# Allegro board pc053e_toplevel_66.brd (continued)
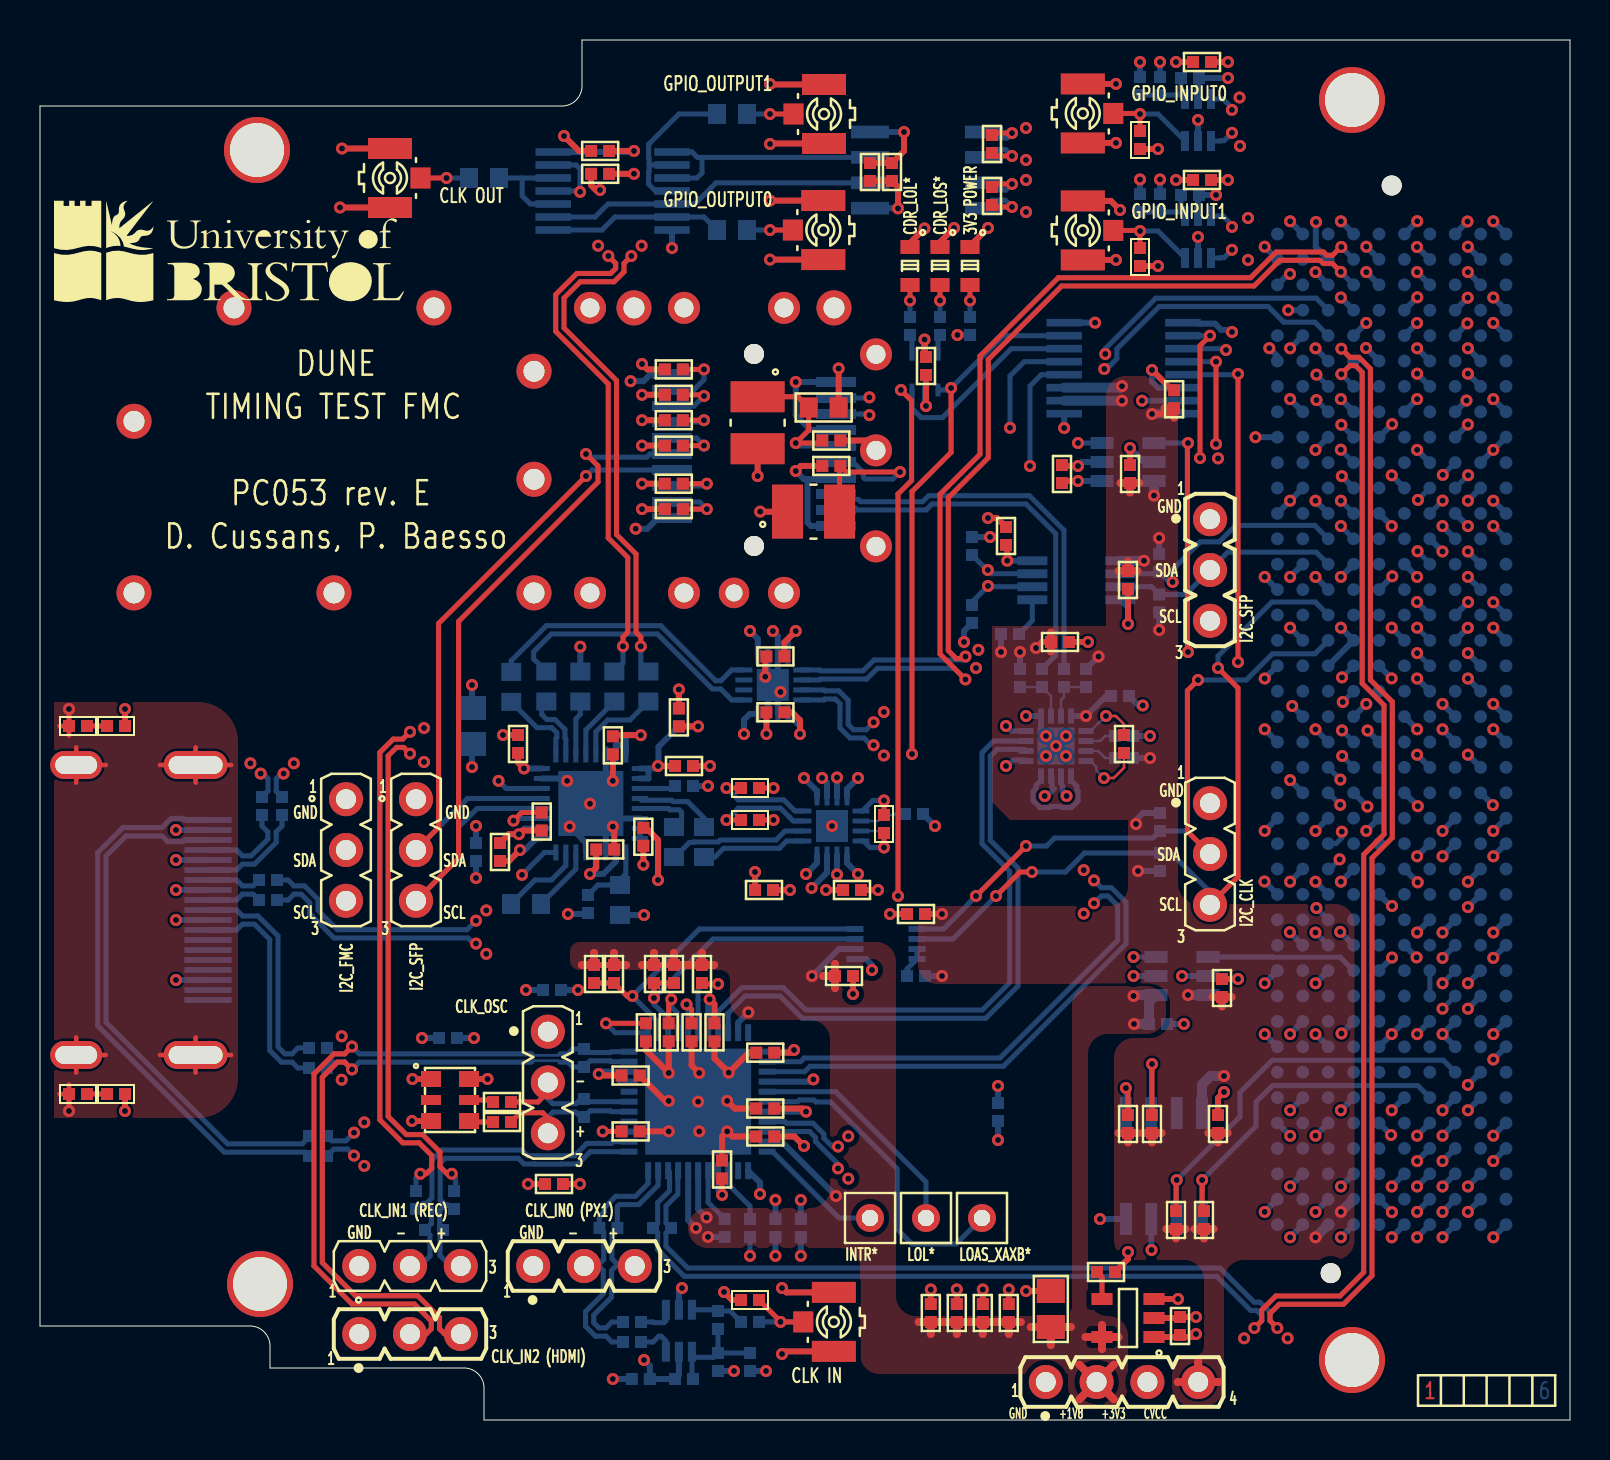
[diagram p0: board, top side]
## Routing (per net, layer and track width the routed paths; a pad name or vN(x,y) marks a point on that pad's centre or on a via; arc(x,y) is an arc through that point) (continued)
IN_P: length 3.1
  BOTTOM w0.254: C43.2 32.08,30.03 32.08,30.39 31.96,30.51 31.49,30.51 31.42,30.57 29.99,30.57 IC12.5
IN_SEL0: length 2.3
  TOP w0.254: R17.2 v1(28.13,14.43)
  BOTTOM w0.254: IC4.3 29.44,14.43 v1(28.13,14.43)
IN_SEL1: length 2.1
  TOP w0.254: R19.2 v1(34.1,11.26)
  BOTTOM w0.254: 33.91,12.47 33.91,11.45 v1(34.1,11.26)
OSC_CLK_N: length 7.7
  TOP w0.254: J2.2 25.39,16.4 24.89,15.9 C25.2
  BOTTOM w0.254: IC4.6 27.33,15.92 R7.2 27.03,16.05 26.8,15.81 25.64,15.81 25.39,16.07 J2.2
OSC_CLK_P: length 8.1
  TOP w0.254: C21.2 24.01,15.36 25.14,15.36 25.39,15.1 J2.3
  BOTTOM w0.254: IC4.5 28.57,15.42 28.52,15.46 27.51,15.46 R7.1 27.03,15.15 26.79,15.4 25.65,15.4 25.39,15.14 J2.3
REC_CLK_N: length 55.2
  TOP w0.254: v1(18.5,34.41) 18.13,34.04 17.66,34.04 16.99,33.38 16.99,15.01 18.14,13.86 18.96,13.86 19.59,13.23 19.59,12.59 19.31,12.31 v1(19.02,12.31)
  L3_SIGN w0.2: v1(18.5,34.41) 18.61,34.41 18.97,34.05 19.35,34.05 19.46,33.94 21.4,33.94 21.64,33.71 22.91,33.71 22.93,33.69 30.27,33.69 30.28,33.71 38.81,33.71 39.64,34.54 41.44,34.54 41.68,34.78 v1(41.68,34.89)
  BOTTOM w0.254: v1(19.02,12.31) 18.8,12.1 C27.1 ; v1(41.68,34.89) 41.31,34.51 40.67,34.51 40.41,34.77 40.41,35.99 39.94,36.46 39.23,36.46 39.19,36.5 IC17.11
REC_CLK_P: length 54.3
  TOP w0.254: v1(18.5,33.32) 18.19,33.63 17.83,33.63 17.41,33.21 17.41,15.18 18.31,14.27 19.13,14.27 20,13.4 20,12.67 20.35,12.31 v1(20.59,12.31)
  L3_SIGN w0.2: v1(18.5,33.32) 18.82,33.32 18.99,33.49 21.21,33.49 21.45,33.25 22.73,33.25 22.74,33.24 30.46,33.24 30.47,33.25 38.99,33.25 39.83,34.09 41.21,34.09 41.56,33.74 v1(41.68,33.74)
  BOTTOM w0.254: v1(20.59,12.31) 20.78,12.12 20.78,11.53 C24.1 ; IC17.12 39.19,36 39.23,36.05 39.77,36.05 40,35.82 40,34.6 40.5,34.1 41.2,34.1 41.56,33.74 v1(41.68,33.74)
S_CLK_IN: length 3.8
  TOP w0.254: R27.2 37.02,4.92 v1(37.02,4.91) PX1.1
  BOTTOM w0.254: v1(37.02,4.91) C50.1
S_GPIO_IN0: length 5
  TOP w0.25: PX2.1 54.97,65.33 v1(55,65.3) R30.2
  BOTTOM w0.25: IC6.3 55.9,65.3 v1(55,65.3)
S_GPIO_IN1: length 5
  TOP w0.25: R31.2 v1(55,59.45) 54.97,59.48 PX3.1
  BOTTOM w0.25: IC7.3 55.9,59.45 v1(55,59.45)
SFP_LOS: length 24.4
  TOP w0.254: 32.14,51.26 33.14,51.26 v1(33.2,51.2)
  L3_SIGN w0.254: v1(48.5,49.61) 34.79,49.61 v1(33.2,51.2)
  BOTTOM w0.254: v1(33.2,51.2) 32.7,50.7 J4.8 ; v1(48.5,49.61) 48.5,52.2 49.21,52.91 IC10.5
SFP_SCL: length 67.7
  TOP w0.254: J5.3 20.93,28.09 20.93,39.93 27.9,46.9 27.9,47.7 v1(27.3,48.3)
  L3_SIGN w0.254: v1(27.3,48.3) 28.4,47.2 28.4,43.9 29.8,42.5 v1(47.39,42.5)
  BOTTOM w0.254: IC15.7 47.58,42.31 v1(47.39,42.5) 47.35,42.5 R411.2 ; J4.5 30.5,48.3 30.34,48.14 27.46,48.14 v1(27.3,48.3) ; IC12.20 21.86,30.58 20.93,29.65 20.93,28.09 J5.3
SFP_SDA: length 63.4
  TOP w0.254: v1(27.3,47.2) 19.93,39.83 19.93,29.63 J5.2
  L3_SIGN w0.254: v1(27.3,47.2) 27.3,43.4 30.5,40.2 45.9,40.2 v1(47.4,41.7)
  BOTTOM w0.254: IC12.21 21.38,31.08 J5.2 ; v1(27.3,47.2) 27.6,47.5 J4.4 ; IC15.6 47.44,41.66 v1(47.4,41.7) 46.6,40.9 R140.2
SFP_TX_DISABLE: length 23.8
  TOP w0.254: v1(33.34,46.81) 32.14,46.81
  L3_SIGN w0.254: v1(51.9,48.85) 48.75,48.85 46.5,46.6 33.56,46.6 v1(33.34,46.81)
  BOTTOM w0.254: IC14.3 v1(51.9,48.85) ; v1(33.34,46.81) 33.23,46.7 J4.3
SFP_TX_FAULT: length 26.1
  TOP w0.254: 32.14,45.55 v1(33.34,45.55)
  L3_SIGN w0.254: v1(49.5,47.7) 47.8,46 33.8,46 v1(33.34,45.55)
  BOTTOM w0.254: v1(49.5,47.7) 49.5,51.7 50.06,52.27 IC10.4 ; v1(33.34,45.55) 32.99,45.9 J4.2
SY5860_IN_N: length 14.3
  BOTTOM w0.254: IC17.4 34.59,37.5 34.05,36.96 33.79,36.96 31.04,39.71 25.31,39.71 23.56,37.96 R55.2
SY5860_IN_P: length 13.5
  BOTTOM w0.254: IC17.1 34.59,36 34.04,36.55 33.62,36.55 30.87,39.3 25.57,39.3 24.68,38.41 24.68,38.05 R54.2
T_CDR_N: length 5.3
  BOTTOM w0.254: IC13.9 37.34,28.95 36.97,28.59 34.19,28.59 33.75,28.15 C44.1
T_CDR_P: length 7
  BOTTOM w0.254: C43.1 31.75,28.15 32.48,28.88 32.68,28.88 32.7,28.9 33.91,28.9 34.01,29 36.8,29 37.25,29.45 IC13.10
T_FFD_CLK_N: length 31.7
  BOTTOM w0.254: IC3.7 49.28,33.94 48.98,33.94 48.97,33.95 47.68,33.95 47.1,33.37 47.1,28.81 48.49,27.43 48.49,21.87 47.11,20.5 38.29,20.5 37.17,21.61 35.09,21.61 33.91,20.43 IC4.19
T_FFD_CLK_P: length 31
  BOTTOM w0.254: IC4.20 34.41,20.26 34.38,20.28 34.38,20.32 35.26,21.2 37,21.2 38.11,20.09 47.29,20.09 48.9,21.7 48.9,27.6 47.51,28.99 47.51,33.2 47.85,33.54 48.79,33.54 48.81,33.52 49.23,33.52 IC3.6
T_FFD_D_N: length 18.6
  L3_SIGN w0.2: v1(50.24,31.2) 50.28,31.2 50.83,30.65 51.1,30.65 51.1,30.65 51.56,30.65 51.65,30.75 54.79,30.75 57.39,33.35 64.61,33.35 64.79,33.52 v1(65.11,33.2)
  BOTTOM w0.254: v1(50.24,31.2) 50.34,31.3 50.45,31.3 50.71,31.56 50.59,31.67 50.59,32.16 IC3.3 ; P1.G22 v1(65.11,33.2)
T_FFD_D_P: length 17.1
  L3_SIGN w0.2: v1(65.1,34.48) 64.42,33.8 57.2,33.8 54.6,31.2 v1(51.33,31.2)
  BOTTOM w0.254: v1(51.33,31.2) 51.13,31.39 51.13,31.72 51.05,31.8 IC3.2 ; P1.G21 v1(65.1,34.48)
T_FMC_CLK_N: length 64.8
  L4_SIGN w0.2: v1(52.7,25.83) 53.07,26.2 53.6,26.2 54.25,26.86 54.25,34.77 54.28,34.79 54.28,35.61 54.25,35.63 54.25,38.75 53.21,39.79 v1(53.21,52.55)
  BOTTOM w0.254: P1.H5 63.74,54.89 62.21,54.89 62.19,54.91 62.17,54.91 61.41,55.67 55.96,55.67 53.84,53.56 53.84,53.06 53.5,52.72 53.38,52.72 v1(53.21,52.55) ; IC4.24 38.03,17.92 38.21,18.1 48,18.1 53.89,23.99 53.89,25.71 53.4,26.2 53.07,26.2 v1(52.7,25.83)
T_FMC_CLK_P: length 65.9
  L4_SIGN w0.2: v1(52.7,26.98) 53.03,26.65 53.41,26.65 53.8,27.05 53.8,34.89 53.79,34.89 53.79,34.95 53.83,34.98 53.83,35.42 53.79,35.45 53.79,35.71 53.8,35.71 53.8,38.56 52.76,39.6 52.76,52.19 52.63,52.31 52.63,52.79 53.15,53.3 v1(53.26,53.3)
  BOTTOM w0.254: P1.H4 63.81,56.09 55.79,56.09 53.26,53.56 v1(53.26,53.3) ; IC4.25 38.23,17.42 38.5,17.69 48.17,17.69 54.3,23.81 54.3,25.89 53.57,26.61 53.07,26.61 v1(52.7,26.98)
T_FMC_N: length 35.3
  TOP w0.254: R59.2 v1(36.68,30)
  L3_SIGN w0.2: v1(36.68,30) 37.2,30 38,30.8 41.14,30.8 41.39,31.05 41.49,31.05 41.97,31.53 42.43,31.53 43.36,30.6 45.97,30.6 46.17,30.8 46.63,30.8 48.11,29.32 51.82,29.32 52.05,29.55 53.63,29.55 54.38,28.79 55.22,28.79 55.81,29.38 55.81,30.11 57.64,31.94 58.96,31.94 59,31.9 59.91,31.9 63.36,28.45 63.41,28.45 63.47,28.39 64.13,28.39 64.19,28.45 64.56,28.45 v1(64.98,28.03)
  BOTTOM w0.254: v1(64.98,28.03) 64.5,27.55 P1.H26
T_FMC_P: length 35.6
  TOP w0.254: R58.2 v1(36.68,31.6)
  L3_SIGN w0.2: v1(65.09,29.42) 64.58,28.9 64,28.9 63.94,28.84 63.66,28.84 63.6,28.9 63.55,28.9 60.1,32.35 59.19,32.35 59.14,32.4 57.45,32.4 55.35,30.29 55.35,29.57 55.03,29.25 54.57,29.25 53.82,30 51.86,30 51.63,29.77 48.3,29.77 46.82,31.26 45.98,31.26 45.78,31.05 43.55,31.05 42.62,31.98 41.78,31.98 41.3,31.5 41.2,31.5 40.95,31.25 37.55,31.25 37.2,31.6 v1(36.68,31.6)
  BOTTOM w0.254: P1.H25 64.8,28.82 65.09,29.12 v1(65.09,29.42)
T_FMC_REC_CLK_N: length 45.8
  TOP w0.254: v1(65.04,57.41) 64.63,57.82 64.17,57.82 64,57.99 61.99,57.99 60.7,56.7 51.09,56.7 47.41,53.03 47.41,48.11 45.41,46.11 45.41,38.47 45.81,38.07 46.17,38.07 v1(46.27,38.17)
  BOTTOM w0.254: v1(46.27,38.17) 46.1,38 41.7,38 41.16,37.46 39.02,37.46 38.98,37.5 IC17.9 ; P1.G3 65.04,57.4 v1(65.04,57.41)
T_FMC_REC_CLK_P: length 47.5
  TOP w0.254: v1(65.07,58.65) 65.04,58.65 64.63,58.24 64.34,58.24 64.17,58.4 61.81,58.4 60.53,57.11 50.91,57.11 47,53.2 47,48.29 45,46.29 45,38.3 v1(46.27,37.03)
  BOTTOM w0.254: IC17.10 38.98,37 39.02,37.05 41.33,37.05 41.87,37.59 45.71,37.59 v1(46.27,37.03) ; P1.G2 65.28,58.43 65.27,58.45 v1(65.07,58.65)
T_MCX_CLK: length 75.2
  L4_SIGN w0.254: v1(27,61.41) 27,58.89 17.08,48.97 17.08,17.52 24.9,9.7 31.4,9.7 32.89,8.21 v1(35.5,8.21)
  BOTTOM w0.254: R26.2 v1(35.5,8.21) ; IC9.13 26.8,62.75 27,62.55 v1(27,61.41) 26.96,61.45 IC9.11
T_RJ45_CLK_N: length 30.8
  L3_SIGN w0.2: v1(39.9,13.67) 39.58,13.35 38.99,13.35 38.64,13 25.17,13 24.11,14.05 16.01,14.05 v1(15.7,14.37)
  BOTTOM w0.254: v1(15.7,14.37) 15.29,13.96 14.59,13.96 R67.1 ; IC4.30 37.25,14.92 37.32,14.84 38.65,14.84 39.19,14.3 39.19,14.09 39.61,13.67 v1(39.9,13.67)
T_RJ45_CLK_P: length 31.3
  L3_SIGN w0.2: v1(39.9,12.58) 39.58,12.9 39.18,12.9 38.83,12.55 24.98,12.55 23.93,13.6 16.08,13.6 v1(15.7,13.22)
  BOTTOM w0.254: v1(39.9,12.58) 39.9,12.8 38.78,13.92 38.78,14.12 38.48,14.42 37.25,14.42 37.25,14.42 IC4.31 ; R66.1 14.7,13.55 15.37,13.55 v1(15.7,13.22)
T_RJ45_D_N: length 55
  L3_SIGN w0.2: v1(63.77,24.38) 63.4,24.77 63.39,24.78 62.91,24.78 62.76,24.94 61.44,24.94 60.69,24.19 22.37,24.19 22,23.82 v1(21.8,23.82)
  BOTTOM w0.254: v1(21.8,23.82) 21.68,23.82 21.4,24.1 14.7,24.1 13.49,25.31 13.49,25.86 13.06,26.29 12.7,26.29 12.4,26 R64.1 ; P1.H29 v1(63.77,24.38)
T_RJ45_D_P: length 55
  L3_SIGN w0.2: v1(21.8,24.97) 22.12,24.65 60.51,24.65 61.25,25.4 62.95,25.4 63.1,25.24 63.46,25.24 v1(63.82,25.6)
  BOTTOM w0.254: P1.H28 v1(63.82,25.6) ; R65.1 12.4,27 12.7,26.71 13.23,26.71 13.9,26.03 13.9,25.49 14.87,24.51 21.35,24.51 v1(21.8,24.97)
T_SFP_N: length 18.9
  BOTTOM w0.254: J4.19 39.91,45.5 40.02,45.62 40.74,45.62 40.86,45.5 44.3,45.5 44.6,45.8 49.3,45.8 50.79,44.31 50.79,38.24 C2.2
T_SFP_P: length 19.3
  BOTTOM w0.254: C1.2 51.2,44.49 49.47,46.21 44.43,46.21 44.13,45.92 41.03,45.92 40.92,46.03 40.07,46.03 J4.18
UNNAMED_2_CON400P40ABCDEFGHJK_I: length 1.3
  BOTTOM w0.254: P1.D30 P1.D31
UNNAMED_2_PCA9306_I276_EN: length 1.6
  BOTTOM w0.254: R1.1 43.35,22.55 IC1.8 IC1.7
UNNAMED_2_PCA9517_I162_EN: length 2
  BOTTOM w0.254: IC15.5 49.61,39.97 R42.1
UNNAMED_3_CAPCERSMDCL2_I315_A: length 2.6
  BOTTOM w0.127: IC3.11 51.05,36.01 51.2,36.16 C1.1 R5.1
UNNAMED_3_CAPCERSMDCL2_I316_A: length 2.7
  BOTTOM w0.127: R6.1 C2.1 50.55,36.2 IC3.10
UNNAMED_3_NB7V52M_I317_R: length 1.6
  BOTTOM w0.127: IC3.14 53.01,33.95 53.26,34.2 R2.2
UNNAMED_3_NB7V52M_I317_R_1: length 1.6
  BOTTOM w0.127: R4.1 53.26,33.1 52.91,33.45 IC3.15
UNNAMED_3_NB7V52M_I317_VTCLK: length 4.2
  L4_SIGN w0.254: v1(48.3,34.7) v1(48.3,32.7)
  BOTTOM w0.254: v1(48.3,34.7) 48.55,34.45 IC3.8 ; v1(48.3,32.7) 48.37,32.7 48.67,33 49.25,33 IC3.5
UNNAMED_3_NB7V52M_I317_VTD: length 5.4
  BOTTOM w0.254: IC3.4 50.05,31.98 49.8,31.73 49.8,31.58 49.66,31.44 49.66,30.96 50,30.62 50.48,30.62 50.54,30.68 51.02,30.68 51.09,30.62 51.57,30.62 51.91,30.96 51.91,31.44 51.84,31.5 51.84,31.68 51.55,31.98 IC3.1
UNNAMED_3_NB7V52M_I317_VTR: length 3.3
  TOP w0.127: v1(53.2,32.1) 53.69,32.1 54.2,32.61 R3.2
  BOTTOM w0.127: v1(53.2,32.1) 52.81,32.49 52.81,32.67 52.52,32.95 IC3.16
UNNAMED_3_NB7V52M_I317_VTR_1: length 2.9
  TOP w0.127: R3.1 54.2,34.79 53.79,35.2 v1(53.3,35.2)
  BOTTOM w0.127: IC3.13 52.52,34.45 52.93,34.85 52.95,34.85 v1(53.3,35.2)
UNNAMED_4_CAPCERSMDCL2_I90_B: length 1.5
  TOP w0.254: C11.2 53.1,7.15 REG1.4
UNNAMED_4_CAPCERSMDCL2_I119_A: length 1.2
  TOP w0.254: C21.1 21.5,14.9 QZ1.4
UNNAMED_4_CAPCERSMDCL2_I120_A: length 1.2
  TOP w0.254: QZ1.5 22.55,16 C25.1
UNNAMED_4_RSMD0402_I16_A: length 4.3
  TOP w0.254: R10.1 v1(28.3,19.83)
  BOTTOM w0.254: IC4.12 28.77,19.37 v1(28.3,19.83)
UNNAMED_4_RSMD0402_I47_A: length 2.8
  BOTTOM w0.254: 33.41,12.47 33.41,10.88 R13.1
UNNAMED_4_RSMD0402_I49_A: length 3.1
  TOP w0.254: R20.1 31.44,20.91 v1(31.56,21.03)
  BOTTOM w0.254: v1(31.56,21.03) 31.56,20.65 31.91,20.31 IC4.15
UNNAMED_4_RSMD0402_I50_A: length 2.5
  TOP w0.254: v1(32.33,20.78) 32.58,20.53 R21.1
  BOTTOM w0.254: v1(32.33,20.78) 32.41,20.7 IC4.16
UNNAMED_4_RSMD0402_I123_A: length 2.9
  BOTTOM w0.254: 34.41,12.47 34.41,11.79 35.5,10.69 R26.1
UNNAMED_4_SI5394_I110_INTR: length 6.5
  BOTTOM w0.254: IC4.33 36.63,13.42 39.95,10.1 TP9.1
UNNAMED_4_SI5394_I110_LOL: length 11.6
  BOTTOM w0.254: TP10.1 44.3,11.9 39.78,16.42 IC4.27
UNNAMED_4_SI5394_I110_LOSXAXB: length 16.1
  BOTTOM w0.254: IC4.28 37.88,15.92 37.96,16 38.7,16 38.8,15.9 39.52,15.9 42.86,12.56 42.86,9.54 43.6,8.8 45.8,8.8 TP11.1
UNNAMED_5_74LCX04_I304_Y: length 5.3
  BOTTOM w0.254: IC9.12 24.11,62.1 ; 24.11,62.1 24.11,61.21 24.52,60.8 IC9.10 ; 24.11,62.1 R47.1
UNNAMED_5_74LCX04_I317_A: length 12.4
  BOTTOM w0.254: 33.1,63.13 33.1,62.35 32.85,62.1 IC9.3 ; 33.1,63.13 32.87,63.13 32.6,63.4 IC9.1 ; 33.1,63.13 IC8.7
UNNAMED_5_74LCX04_I317_Y: length 8.5
  BOTTOM w0.254: 30.46,62.75 30.46,63.07 30.43,63.09 30.43,63.79 31.95,65.3 R49.1 ; 30.46,62.75 IC9.2 ; 30.46,62.75 30.46,62.43 30.43,62.41 30.43,61.79 30.78,61.45 IC9.4
UNNAMED_5_74LCX04_I323_A: length 16.5
  BOTTOM w0.254: IC9.9 27.75,60.15 28.4,60.8 IC9.5 32.74,60.8 33.8,61.86 IC8.6
UNNAMED_5_74LCX04_I323_Y: length 8.7
  BOTTOM w0.254: R48.1 33.2,60.15 IC9.6 28.75,60.15 28.1,59.5 IC9.8
UNNAMED_5_ADCMP604_I256_: length 5.6
  BOTTOM w0.254: R44.1 C51.2 ; C51.2 33.68,3.13 32.59,3.13 ; C51.2 R33.2 ; 32.59,3.13 IC5.4 ; 32.59,3.13 32.59,2.1 R32.1
UNNAMED_5_ADCMP604_I256__1: length 2.7
  BOTTOM w0.254: IC5.3 33.84,5.51 R44.2 34.51,5.45 C50.2
UNNAMED_5_ADCMP604_I285_: length 3.2
  BOTTOM w0.254: R36.2 C52.2 57.05,66.25 ; 57.05,66.25 IC6.4 ; 57.05,66.25 R35.1
UNNAMED_5_ADCMP604_I294_: length 3.2
  BOTTOM w0.254: R38.2 C53.2 57.05,60.4 ; 57.05,60.4 IC7.4 ; 57.05,60.4 R37.1
UNNAMED_5_PCOAX_I312_A: length 2.4
  TOP w0.254: PX4.1 v1(20.32,62.1)
  BOTTOM w0.254: R47.2 v1(20.32,62.1)
UNNAMED_5_PCOAX_I315_A: length 2.3
  TOP w0.254: v1(36.5,65.3) PX6.1
  BOTTOM w0.254: v1(36.5,65.3) R49.2
UNNAMED_5_PCOAX_I321_A: length 2.3
  TOP w0.254: PX5.1 v1(36.5,59.5)
  BOTTOM w0.254: v1(36.5,59.5) 36.5,59.5 R48.2
UNNAMED_6_CAPCERSMDCL2_I6_B: length 1
  TOP w0.254: R62.1 C74.2
UNNAMED_6_CAPCERSMDCL2_I7_B: length 1
  TOP w0.254: R63.1 C75.2
UNNAMED_6_CON19P_I1_A: length 5.5
  BOTTOM w0.254: R69.1 12.1,29.7 11.81,29.4 11.81,28.87 10.73,27.79 10.12,27.79 9.83,27.5 J7.6
UNNAMED_6_CON19P_I1_A_1: length 4.8
  BOTTOM w0.254: J7.4 9.83,28.5 10.12,28.21 10.56,28.21 11.39,29.04 11.39,29.4 11.1,29.7 R68.1
UNNAMED_6_CON19P_I1_A_2: length 2.8
  BOTTOM w0.254: R64.2 10.66,26.29 10.12,26.29 9.83,26 J7.9
UNNAMED_6_CON19P_I1_A_3: length 2.8
  BOTTOM w0.254: J7.7 9.83,27 10.12,26.71 10.66,26.71 R65.2
UNNAMED_6_CON19P_I1_A_4: length 28.2
  BOTTOM w0.254: R66.2 13.26,13.39 9.21,13.39 2.89,19.71 2.89,28.37 4.14,29.62 6.1,29.62 6.56,30.08 7.15,30.08 7.22,30 J7.1
UNNAMED_6_CON19P_I1_A_5: length 26.8
  BOTTOM w0.254: J7.3 7.22,29 7.15,28.92 6.39,28.92 6.1,29.21 4.31,29.21 3.3,28.2 3.3,19.89 9.38,13.81 13.11,13.81 13.45,14.15 R67.2
UNNAMED_11_ADN2814_I23_CF1: length 4.2
  BOTTOM w0.254: C39.1 24.75,27 25.57,27 26.29,27.72 IC12.15
UNNAMED_11_ADN2814_I23_CF2: length 3.3
  BOTTOM w0.254: IC12.14 26.79,27.54 C39.2
UNNAMED_11_ADN2814_I23_DATAOUTN: length 3.2
  BOTTOM w0.254: IC12.28 27.29,34.5 R53.1
UNNAMED_11_ADN2814_I23_DATAOUTP: length 4.4
  BOTTOM w0.254: IC12.29 27.79,34.41 28.39,35 29.5,35 R52.1
UNNAMED_11_ADN2814_I23_SADDRS: length 3
  TOP w0.254: v1(23.67,29.96) 24.08,30.37 R57.1
  BOTTOM w0.254: v1(23.67,29.96) 23.79,30.08 IC12.19
UNNAMED_11_ADN2814_I23_SQUELCH: length 2.7
  BOTTOM w0.254: R12.1 27.02,35.28 26.79,35.06 IC12.27
UNNAMED_11_ADN2814_I23_THRADJ: length 3.6
  BOTTOM w0.254: IC12.9 29.29,27.3 29,27.01 R34.2 27.9,26.75 C42.2
UNNAMED_11_ADN2814_I23_VREF: length 1.8
  BOTTOM w0.254: C38.2 31.63,31.58 IC12.3
UNNAMED_11_CAPCERSMDCL2_I317_A: length 2.3
  BOTTOM w0.127: C73.1 42.74,30.3 42.69,30.25 R61.1 41.9,29.95 IC13.2
UNNAMED_11_CON20PSFP_I175_MODDE: length 2.8
  TOP w0.254: v1(33.2,48.72) 32.14,48.72
  BOTTOM w0.254: v1(33.2,48.72) 32.82,49.1 J4.6
UNNAMED_11_CON20PSFP_I175_RATES: length 2.7
  TOP w0.254: v1(33.2,49.99) 32.14,49.99
  BOTTOM w0.254: J4.7 33.11,49.9 v1(33.2,49.99)
UNNAMED_11_CON20PSFP_I175_VCCR: length 8.3
  TOP w0.254: C63.2 38.99,48.85 v1(37.79,48.85) 38.43,49.49 C64.2 37.9,51.16 L1.1
  BOTTOM w0.254: v1(37.79,48.85) 37.93,48.7 J4.15
UNNAMED_11_CON20PSFP_I175_VCCT: length 9.2
  TOP w0.254: L2.2 39.98,47.66 C62.2 40.32,47.4 v1(43,47.4)
  BOTTOM w0.254: J4.16 40.64,47.9 41.17,47.37 41.17,47.13 41.25,47.05 42.65,47.05 v1(43,47.4)
UNNAMED_11_CON20PSFP_I175_VEER: length 3.4
  TOP w0.254: 32.14,52.53 v1(33.2,52.53)
  BOTTOM w0.254: J4.9 32.68,51.5 33.2,52.02 v1(33.2,52.53)
UNNAMED_11_LED1_I225_A: length 1.6
  TOP w0.254: v1(43.5,55.97) LD1.1
  BOTTOM w0.254: R50.1 v1(43.5,55.97)
UNNAMED_11_LED1_I226_A: length 1.6
  TOP w0.254: v1(45,55.97) LD2.1
  BOTTOM w0.254: R51.1 v1(45,55.97)
UNNAMED_11_LED1_I227_A: length 1.6
  TOP w0.254: LD3.1 v1(46.5,55.97)
  BOTTOM w0.254: v1(46.5,55.97) R56.1
UNNAMED_11_RSMD0402_I232_B: length 1
  BOTTOM w0.254: IC18.4 43.6,54.15 R50.2
UNNAMED_11_RSMD0402_I233_B: length 1
  BOTTOM w0.254: R51.2 44.9,54.15 IC18.6
UNNAMED_11_RSMD0402_I312_A: length 5
  TOP w0.254: R58.1 v1(34.32,31.6)
  BOTTOM w0.254: IC13.12 37.75,30.45 37.19,31.01 34.92,31.01 v1(34.32,31.6)
UNNAMED_11_RSMD0402_I313_A: length 5.1
  TOP w0.254: R59.1 v1(34.32,30)
  BOTTOM w0.254: IC13.11 37.66,29.95 37.46,30.16 37.02,30.59 34.92,30.59 v1(34.32,30)
UNNAMED_11_RSMD0402_I316_B: length 1.2
  BOTTOM w0.127: IC13.3 42.1,29.45 R61.2

## Copper pours and planes (outline as drawn; the poured copper is in the pictures)
GND on L2_GND: 22.84,0.64 22.84,1.6 22.36,2.76 21.2,3.24 12.14,3.24 12.14,3.7 11.66,4.86 10.5,5.34 0.64,5.34 0.64,65.06 26.1,65.06 27.26,65.54 27.74,66.7 27.74,68.36 75.86,68.36 75.86,2.37 68.9,2.37 68.9,0.64
P3V3 on L5_PWR: 22.84,0.64 22.84,1.6 22.36,2.76 21.2,3.24 12.14,3.24 12.14,3.7 11.66,4.86 10.5,5.34 0.7,5.34 0.7,65.06 26.1,65.06 27.26,65.54 27.74,66.7 27.74,68.36 75.86,68.36 75.86,2.37 68.9,2.37 68.9,0.64
CVCC on TOP: 53.3,51.2 53.59,51.91 54.3,52.2 55.9,52.2 56.61,51.91 56.9,51.2 56.9,26.8 57.19,26.09 57.9,25.8 64.73,25.8 65.43,25.51 65.73,24.8 65.73,9 65.43,8.29 64.73,8 60.2,8 59.49,7.71 59.2,7 59.2,1.7 58.91,0.99 58.2,0.7 57.6,0.7 56.89,0.99 56.6,1.7 56.6,2.2 56.89,2.91 57.6,3.2 57.7,3.2 58.05,3.35 58.2,3.7 58.2,7 57.91,7.71 57.2,8 54.7,8 53.99,8.29 53.7,9 53.7,18.1 53.99,18.81 54.7,19.1 55.5,19.1 56.21,19.39 56.5,20.1 56.5,20.8 56.21,21.51 55.5,21.8 44.9,21.8 44.19,22.09 43.9,22.8 43.9,24.7 44.19,25.41 44.9,25.7 53.4,25.7 54.11,25.99 54.4,26.7 54.4,30 48.5,30 47.6,30.9 47.6,39.7 53.3,39.7
AGND on TOP: 0.7,35.9 7.9,35.9 9.31,35.31 9.9,33.9 9.9,17.1 9.31,15.69 7.9,15.1 0.7,15.1
P1V8 on TOP: 33.4,8.6 32.4,9.6 33.4,10.6 38.5,10.6 39.21,10.89 39.5,11.6 39.5,19 39.21,19.71 38.5,20 35.5,20 34.79,20.29 34.5,21 34.5,22 34.35,22.35 34,22.5 27,22.5 26.65,22.65 26.5,23 26.5,23.4 26.65,23.75 27,23.9 41.8,23.9 42.51,23.61 42.8,22.9 42.8,6.2 43.09,5.49 43.8,5.2 51.1,5.2 51.45,5.35 51.6,5.7 51.6,20.7 51.89,21.41 52.6,21.7 55.3,21.7 56.01,21.41 56.3,20.7 56.3,20.3 56.01,19.59 55.3,19.3 53.4,19.3 52.69,19.01 52.4,18.3 52.4,6.2 52.69,5.49 54.11,4.91 54.4,4.2 54.4,1.7 54.11,0.99 53.4,0.7 52.4,0.7 51.69,0.99 51.4,1.7 51.4,2.3 42,2.3 41.29,2.59 41,3.3 41,7.6 40.71,8.31 40,8.6

## Text on the board
BOTTOM: 6
Ref Des/Silkscreen Bottom: GND | +1V8 | +3V3 | CVCC | SDA | SCL | INTR* | LOL* | LOAS_XAXB* | I2C_CLK | I2C_SFP | I2C_FMC
User.Comments: DUNE Timing System "Reference Hardware" FMC | 16/Apr/21 | E | DGC
TOP: 1
Ref Des/Silkscreen Top: GND       +1V8    +3V3    CVCC | GND | SDA | SCL | GND    -     + | CLK_IN1 (REC) | CLK_OSC | CLK_IN2 (HDMI) | CLK_IN0 (PX1) | - | + | INTR* | LOL* | LOAS_XAXB* | I2C_FMC | I2C_SFP | CDR_LOL* | CDR_LOS* | 3V3 POWER | I2C_CLK | CLK OUT | GPIO_OUTPUT1 | GPIO_OUTPUT0 | CLK IN | GPIO_INPUT0 | GPIO_INPUT1 | DUNE | D. Cussans, P. Baesso
L2_GND: 2
L3_SIGN: 3
L4_SIGN: 4
L5_PWR: 5
User.45: FIGURE | FINISHED_SIZE | 0.3 | 0.8128 | 0.8499 | 0.95 | 1.0 | 1.05 | 2.7 | 1.3 | 1.4 | 2.1x0.9 | 2.7x0.9 | DRILL CHART: TOP to BOTTOM | ALL UNITS ARE IN MILLIMETERS | PLATED | NON-PLATED | QTY | 549 | 3 | 1 | 9 | 28 | 10 | 4 | 2
